# Allegro board SDHCalFEB20180110.brd (continued)
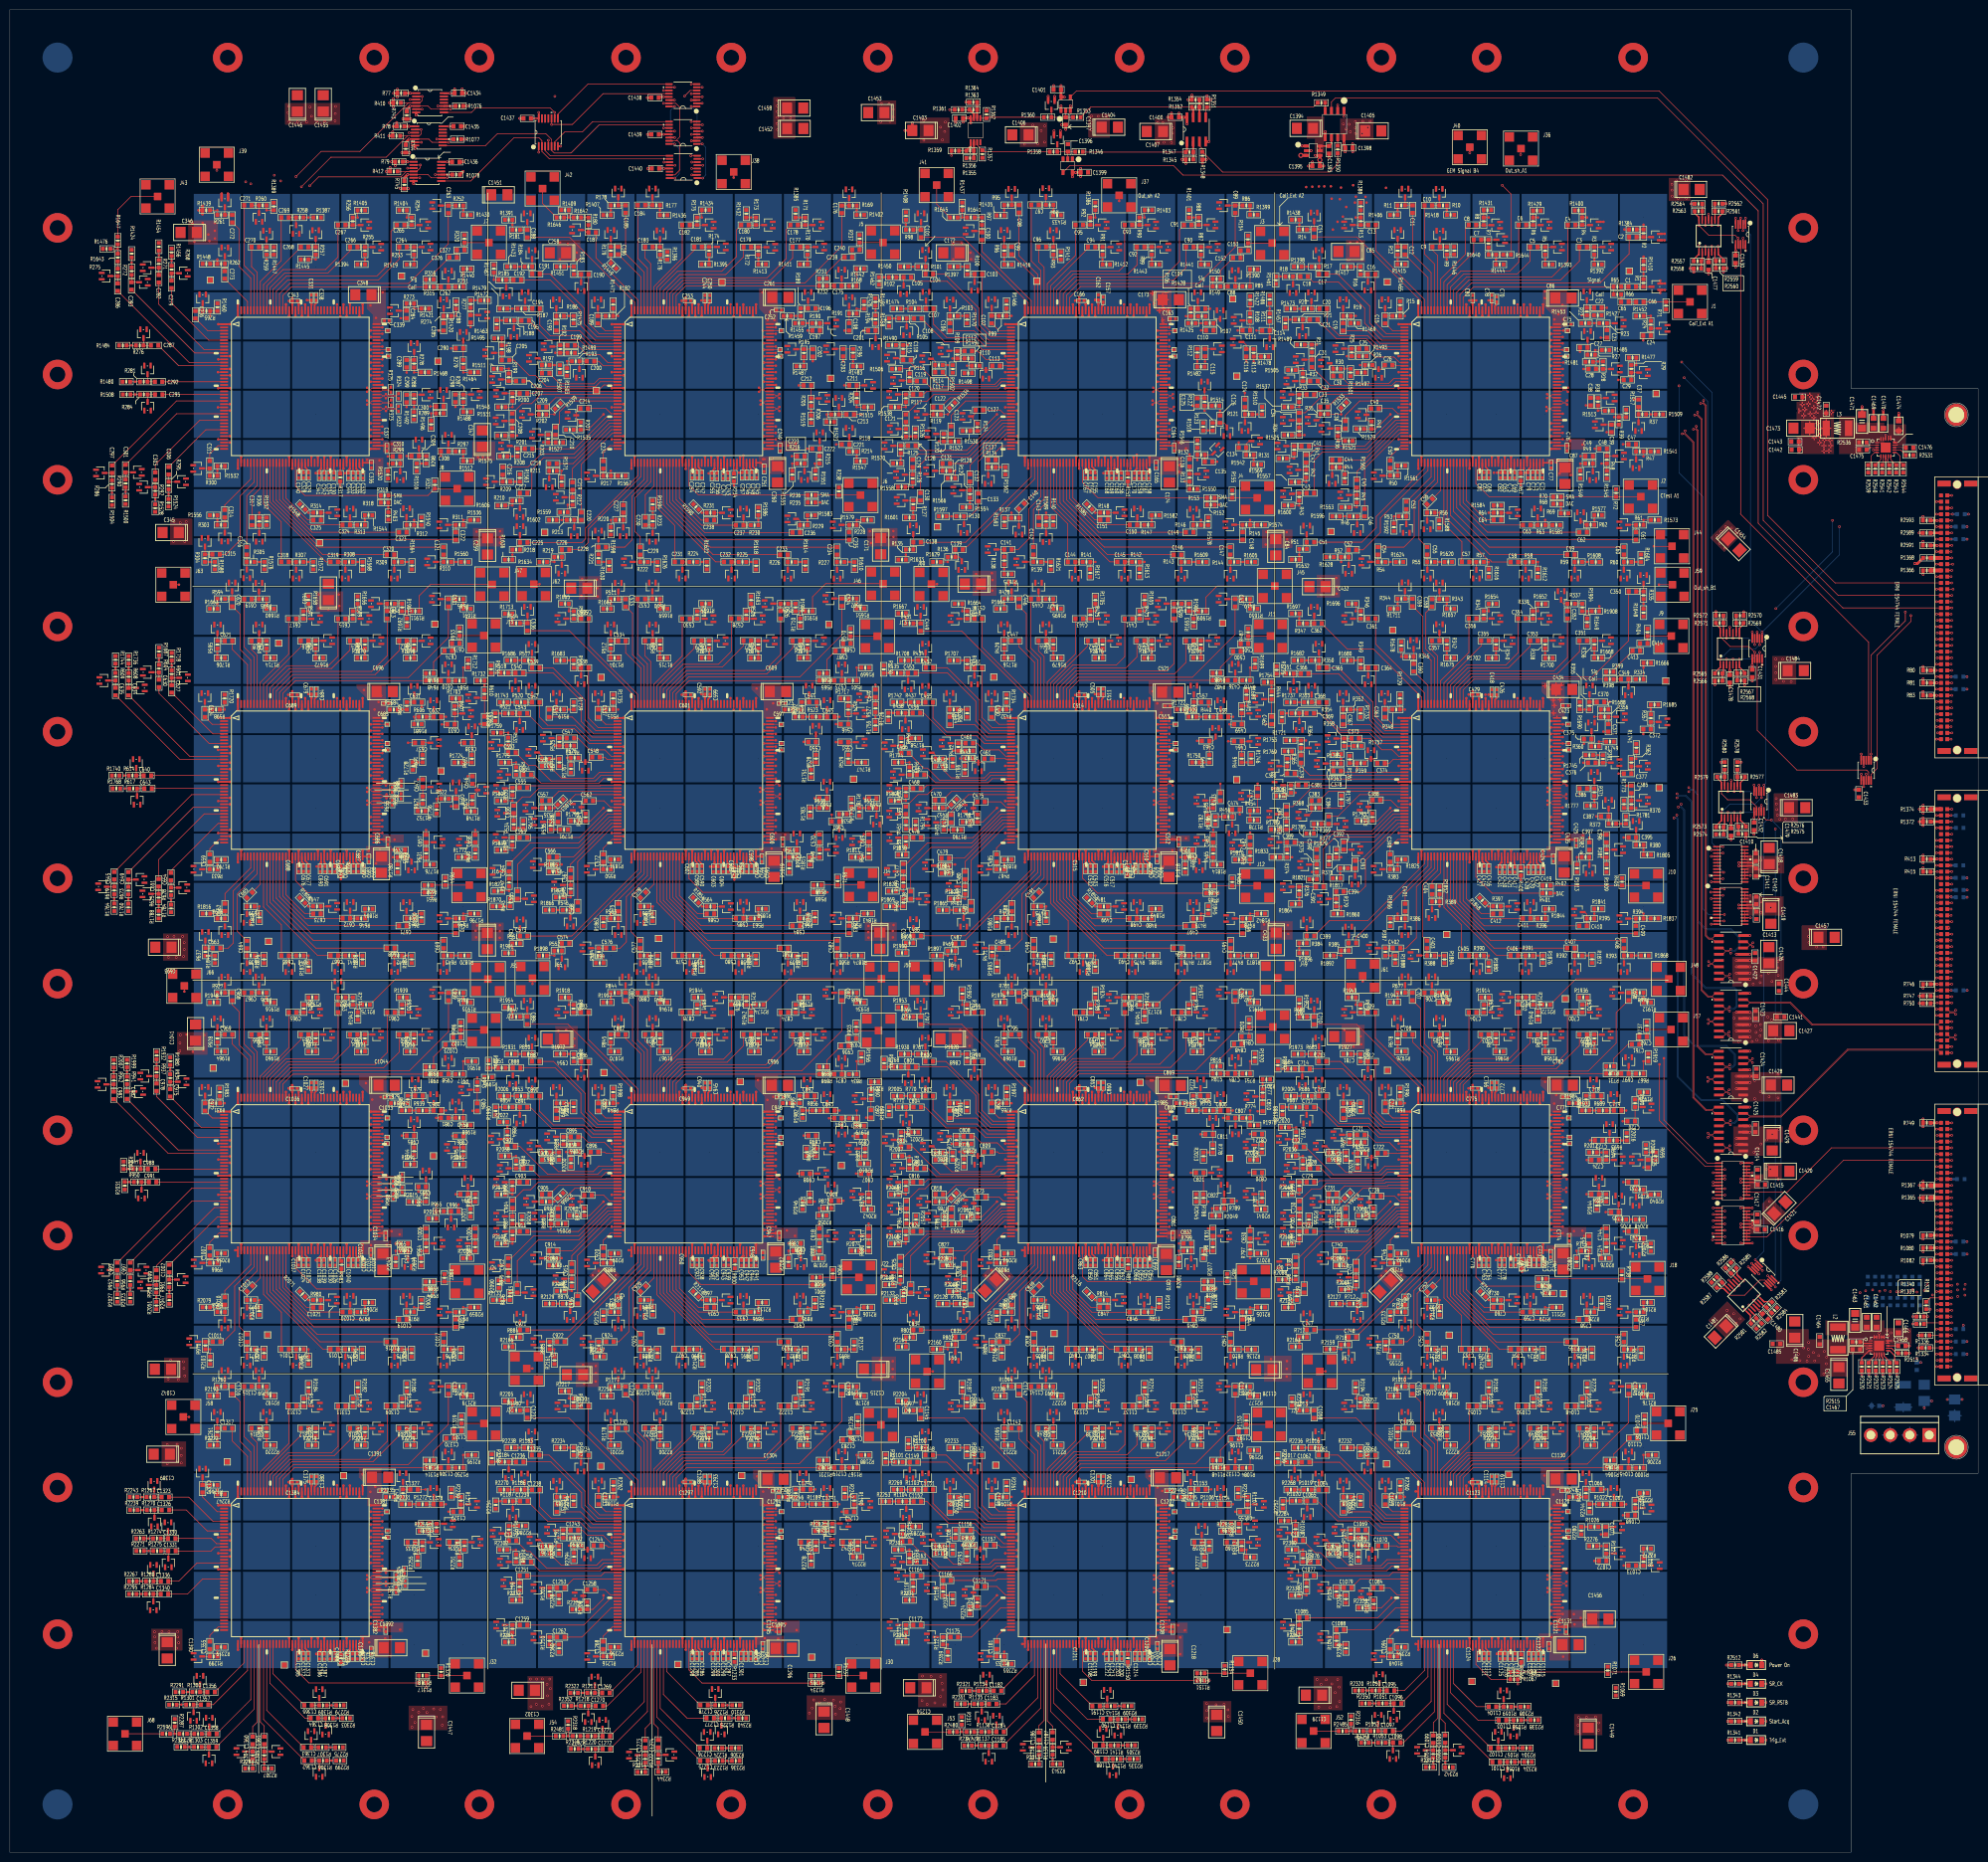
[diagram p0: board, top side]
## Routing (per net, layer and track width the routed paths; a pad name or vN(x,y) marks a point on that pad's centre or on a via; arc(x,y) is an arc through that point) (continued)
VREF_SH_ASIC_A4: length 2.3
  TOP w0.305: U260.62 60.04,281.47 60.73,280.77 C329.2
VREF_SH_ASIC_B1: length 2.3
  TOP w0.305: U325.62 300.07,201.56 300.78,200.85 C416.2
VREF_SH_ASIC_B5: length 2.3
  TOP w0.305: C503.2 220.76,200.77 220.06,201.48 U390.62
VREF_SH_ASIC_B6: length 2.3
  TOP w0.305: C590.2 140.73,200.82 140.05,201.51 U455.62
VREF_SH_ASIC_B7: length 2.3
  TOP w0.305: U520.62 60.04,201.51 60.75,200.8 C677.2
VREF_SH_ASIC_C1: length 2.3
  TOP w0.305: U585.62 300.07,121.49 300.73,120.84 C764.2
VREF_SH_ASIC_C2: length 2.3
  TOP w0.305: C851.2 220.74,120.86 220.06,121.55 U650.62
VREF_SH_ASIC_C4: length 2.3
  TOP w0.305: U780.62 60.04,121.39 60.72,120.71 C1025.2
VREF_SH_ASIC_D1: length 2.3
  TOP w0.305: C1112.2 300.75,40.73 300.07,41.41 U845.62
VREF_SH_ASIC_D2: length 2.3
  TOP w0.305: U910.62 220.06,41.46 220.72,40.8 C1199.2
VREF_SH_ASIC_D3: length 2.3
  TOP w0.305: C1286.2 140.73,40.75 140.05,41.44 U975.62
VREF_SH_ASIC_D4: length 2.3
  TOP w0.305: U1040.62 60.04,41.44 60.7,40.78 C1373.2
VTH0_ASIC_A1: length 2.2
  TOP w0.305: U65.79 311.12,280.85 311.61,280.36 C71.2
VTH0_ASIC_A2: length 2.3
  TOP w0.305: C158.2 231.58,280.84 231.11,281.31 U130.79
VTH0_ASIC_A3: length 2.3
  TOP w0.305: U195.79 151.1,281.57 151.88,280.78 C245.2
VTH0_ASIC_A4: length 2.4
  TOP w0.305: C332.2 71.81,280.75 71.09,281.47 U260.79
VTH0_ASIC_B1: length 2.5
  TOP w0.305: U325.79 311.12,201.43 311.78,200.77 C419.2
VTH0_ASIC_B5: length 2.4
  TOP w0.305: U390.79 231.11,201.48 231.91,200.67 C506.2
VTH0_ASIC_B6: length 2.3
  TOP w0.305: C593.2 151.81,200.82 151.1,201.53 U455.79
VTH0_ASIC_B7: length 2.3
  TOP w0.305: U520.79 71.09,201.46 71.87,200.67 C680.2
VTH0_ASIC_C1: length 2.3
  TOP w0.305: U585.79 311.12,121.42 311.93,120.61 C767.2
VTH0_ASIC_C2: length 2.4
  TOP w0.305: C854.2 231.82,120.58 231.11,121.29 U650.79
VTH0_ASIC_C3: length 2.3
  TOP w0.305: C941.2 151.76,120.71 151.1,121.37 U715.79
VTH0_ASIC_C4: length 2.3
  TOP w0.305: U780.79 71.09,121.44 71.85,120.68 C1028.2
VTH0_ASIC_D1: length 2.3
  TOP w0.305: U845.79 311.12,41.33 311.83,40.62 C1115.2
VTH0_ASIC_D2: length 2.3
  TOP w0.305: C1204.2 231.74,40.57 231.11,41.2 U910.79
VTH0_ASIC_D3: length 2.2
  TOP w0.305: C1291.2 151.65,40.73 151.1,41.28 U975.79
VTH0_ASIC_D4: length 2.3
  TOP w0.305: U1040.79 71.09,41.43 71.67,40.85 C1378.2
VTH1_ASIC_A1: length 2.1
  TOP w0.305: U65.78 310.47,280.54 C74.2
VTH1_ASIC_A2: length 2.2
  TOP w0.305: U130.78 230.46,280.35 C161.2
VTH1_ASIC_A3: length 2.2
  TOP w0.305: U195.78 150.45,281.35 150.89,280.91 C248.2
VTH1_ASIC_A4: length 2.3
  TOP w0.305: C335.2 70.82,280.75 70.44,281.12 U260.78
VTH1_ASIC_B1: length 2.3
  TOP w0.305: C422.2 310.79,200.74 310.47,201.06 U325.78
VTH1_ASIC_B5: length 2.2
  TOP w0.305: U390.78 230.46,201.16 230.92,200.7 C509.2
VTH1_ASIC_B6: length 2.2
  TOP w0.305: U455.78 150.45,201.27 150.82,200.9 C596.2
VTH1_ASIC_B7: length 2.2
  TOP w0.305: C683.2 70.88,200.85 70.44,201.29 U520.78
VTH1_ASIC_C1: length 2.2
  TOP w0.305: U585.78 310.47,121.23 310.94,120.76 C770.2
VTH1_ASIC_C2: length 2.3
  TOP w0.305: C857.2 230.83,120.71 230.46,121.08 U650.78
VTH1_ASIC_C3: length 2.2
  TOP w0.305: C944.2 150.74,120.94 150.45,121.23 U715.78
VTH1_ASIC_C4: length 2.2
  TOP w0.305: C1031.2 70.83,120.76 70.44,121.15 U780.78
VTH1_ASIC_D1: length 2.2
  TOP w0.305: U845.78 310.47,41.07 310.84,40.7 C1118.2
VTH1_ASIC_D2: length 2.2
  TOP w0.305: U910.78 230.46,40.97 230.75,40.67 C1202.2
VTH1_ASIC_D3: length 2.1
  TOP w0.305: U975.78 150.45,41.07 150.66,40.85 C1289.2
VTH1_ASIC_D4: length 2.1
  TOP w0.305: C1376.2 70.68,40.88 70.44,41.12 U1040.78
VTH2_ASIC_A1: length 2.1
  TOP w0.305: U65.77 309.82,280.47 C72.2
VTH2_ASIC_A2: length 2.2
  TOP w0.305: U130.77 229.81,280.39 C159.2
VTH2_ASIC_A3: length 2
  TOP w0.305: C246.2 149.8,280.45 U195.77
VTH2_ASIC_A4: length 2.1
  TOP w0.305: U260.77 69.79,280.28 C333.2
VTH2_ASIC_B1: length 2.2
  TOP w0.305: U325.77 309.82,200.17 C420.2
VTH2_ASIC_B5: length 2.1
  TOP w0.305: U390.77 229.81,201.15 229.93,201.03 C507.2
VTH2_ASIC_B6: length 2
  TOP w0.305: U455.77 149.8,200.33 C594.2
VTH2_ASIC_B7: length 2
  TOP w0.305: U520.77 69.79,201.23 69.89,201.13 C681.2
VTH2_ASIC_C1: length 2.1
  TOP w0.305: C768.2 309.95,120.96 309.82,121.09 U585.77
VTH2_ASIC_C2: length 2.1
  TOP w0.305: C855.2 229.81,120.25 U650.77
VTH2_ASIC_C3: length 2.1
  TOP w0.305: U715.77 149.8,120.32 C942.2
VTH2_ASIC_C4: length 2.1
  TOP w0.305: U780.77 69.79,120.35 C1029.2
VTH2_ASIC_D1: length 2.1
  TOP w0.305: U845.77 309.82,40.29 C1116.2
VTH2_ASIC_D2: length 2.1
  TOP w0.305: U910.77 229.81,40.36 C1205.2
VTH2_ASIC_D3: length 2.1
  TOP w0.305: C1292.2 149.8,40.43 U975.77
VTH2_ASIC_D4: length 2.1
  TOP w0.305: C1379.2 69.79,40.38 U1040.77
N224768: length 0.5
  TOP w0.254: U1076.19 U1076.20
N224788: length 2.1
  TOP w0.203: C1468.1 381.89,102.9 U1076.13
N224836: length 2.4
  TOP w0.203: C1467.1 376.97,102.92 U1076.3
N224884: length 2.6
  TOP w0.203: R2513.2 383.64,101.4 382.62,102.42 U1076.12
N225120: length 3.4
  TOP w0.203: U1076.5 378.04,101.92 376.58,100.46 R2520.2
N225194: length 2.2
  TOP w0.203: U1076.6 379.11,100.78 378,99.67 R2521.2
N225214: length 1.8
  TOP w0.203: R2522.2 379.43,100.53 379.61,100.72 U1076.7
N225218: length 1.8
  TOP w0.203: U1076.9 380.61,100.72 380.85,100.48 R2523.2
N225222: length 2.2
  TOP w0.203: R2524.2 382.27,99.67 381.11,100.83 U1076.10
N225226: length 3.5
  TOP w0.203: R2525.2 383.26,99.87 383.26,100.91 382.25,101.92 U1076.11
N229854: length 2.4
  TOP w0.508: D6.1 R2512.1
N266042: length 3.6
  TOP w0.406: U1045.6 241.89,352.57 R1352.2 R1354.2
N1484073: length 7.6
  TOP w0.127: R2596.1 J68.1
N2248761: length 2.2
  TOP w0.203: U1076.2 376.89,103.42 376.63,103.68 R2515.2
N10357042: length 25.7
  TOP w0.127: R1353.2 219.79,354.63 R1352.1
  TOP w0.406: U1045.7 240.63,354.38 R1352.1
N10357278: length 3.7
  TOP w0.406: R1345.2 R1347.2 240.63,345.51 U1045.2
N10357291: length 23.2
  TOP w0.127: R1347.1 218.24,345.49 R1346.2
  TOP w0.406: R1347.1 239.36,345.72 U1045.1
N10359702: length 3.6
  TOP w0.127: R1361.2 R1363.1
  TOP w0.406: U1048.7 196.04,353.21 R1363.1
N10359726: length 3.2
  TOP w0.406: U1048.6 196.69,354.09 R1363.2 R1364.2
N10360290: length 3.2
  TOP w0.406: R1355.2 R1356.2 196.04,345.79 U1048.2
N10360314: length 3.6
  TOP w0.127: R1359.2 R1356.1
  TOP w0.406: U1048.1 195.39,346.67 R1356.1
N10371573: length 1.6
  TOP w0.127: U1044.4 267.46,353.89 R1349.1
N10371607: length 1.7
  TOP w0.127: R1350.2 270.01,346.79 U1044.7
N10371876: length 15.9
  TOP w0.127: U1048.3 196.69,346.92 198.04,345.57 R1358.2
N10371884: length 13
  TOP w0.127: R1360.2 198.79,352.58 R1362.2 197.36,352.38 U1048.5
N16629690: length 2.1
  TOP w0.813: J33.B28 390.58,132.97 R1365.1
N16629718: length 2.1
  TOP w0.813: R1367.1 390.58,135.51 J33.B30
N16632302: length 1.7
  TOP w0.508: J34.A31 v4(394.75,200.54)
  BOTTOM w0.508: R1370.2 395.7,200.54 v4(394.75,200.54)
N16632314: length 1.8
  TOP w0.305: J34.A37 v4(394.75,208.16)
  BOTTOM w0.305: v4(394.75,208.16) 394.75,208.15 R1371.2
N16632330: length 1.7
  TOP w0.305: J34.A39 v4(394.75,210.7)
  BOTTOM w0.305: R1373.2 395.7,210.7 v4(394.75,210.7)
N16632396: length 2.1
  TOP w0.508: R1372.1 390.58,209.43 J34.B38
N16632400: length 2.1
  TOP w0.813: J34.B40 390.58,211.97 R1374.1
N16654329: length 2.1
  TOP w0.813: J35.B28 390.58,260.48 R1366.1
N16654333: length 2.1
  TOP w0.813: J35.B30 390.59,263.02 R1368.1
N16706372: length 2.4
  TOP w0.508: D1.1 R1341.1
N16706987: length 2.4
  TOP w0.508: D2.1 R1342.1
N16707063: length 2.4
  TOP w0.508: D3.1 R1343.1
N16707139: length 2.4
  TOP w0.508: D4.1 R1344.1
N16754310: length 2.4
  TOP w0.127: C1476.1 385.49,285.45 U1077.13
N16754358: length 2.3
  TOP w0.127: C1475.1 377.85,285.01 378.28,285.45 U1077.3
N16754406: length 2.8
  TOP w0.127: R2531.2 384.5,284.95 U1077.12
N16754610: length 3.6
  TOP w0.127: U1077.5 379.19,284.45 378.49,283.74 378.49,282.47 R2539.2
N16754668: length 2.3
  TOP w0.127: U1077.6 380.46,283.02 R2540.2
N16754688: length 1.9
  TOP w0.127: U1077.7 380.96,282.1 R2541.2
N16754708: length 1.9
  TOP w0.127: R2542.2 381.96,282.1 U1077.9
N16754712: length 2.3
  TOP w0.127: R2543.2 382.46,283.02 U1077.10
N16754716: length 3.5
  TOP w0.127: R2544.2 384.35,282.55 384.35,283.72 383.63,284.45 U1077.11
N16832061: length 3.4
  TOP w0.254: U1078.2 344.13,323.54 R2557.2 343.93,321.85 R2558.1
N16833922: length 3.4
  TOP w0.254: U1078.6 346.73,323.59 R2559.2 346.93,323.39 R2560.1
N16834415: length 3.3
  TOP w0.254: R2564.1 344.13,333.48 R2563.2 344.13,333.47 U1078.13
N16836319: length 3.3
  TOP w0.254: R2566.1 348.25,238.05 R2565.2 348.45,239.75 U1079.2
N16842604: length 3.3
  TOP w0.254: R2568.1 351.24,238.1 R2567.2 351.05,239.79 U1079.6
N16842803: length 3.5
  TOP w0.254: R2570.1 351.04,249.79 R2569.2 351.05,249.77 U1079.9
N16843003: length 3.5
  TOP w0.254: R2572.1 348.45,249.81 R2571.2 348.45,249.8 U1079.13
N16843204: length 3.4
  TOP w0.254: R2574.1 348.48,206.84 R2573.2 348.7,208.55 U1080.2
N16843407: length 3.3
  TOP w0.254: U1080.6 351.3,208.63 R2575.2 351.5,206.94 R2576.1
N16843610: length 3.3
  TOP w0.254: R2578.1 351.28,218.5 R2577.2 351.29,216.68 U1080.9
N16843814: length 3.3
  TOP w0.254: U1080.13 348.7,218.51 R2579.2 348.71,219.99 R2580.1
N16844019: length 3.4
  TOP w0.254: U1081.2 355.13,108.83 R2581.2 355.14,108.53 R2582.1
N16844225: length 3.4
  TOP w0.254: R2583.2 356.92,110.71 U1081.6
  TOP w0.305: R2584.1 357.24,110.61 R2583.2
N16844432: length 3.3
  TOP w0.254: R2586.1 349.98,117.64 R2585.2 350,117.64 U1081.9
N16844640: length 3.3
  TOP w0.254: U1081.13 349.42,114.54 R2587.2 347.11,116.85 R2588.1
N16845119: length 3.3
  TOP w0.254: R2562.1 346.73,333.48 R2561.2 346.73,333.47 U1078.9
N167543981: length 2.4
  TOP w0.127: R2536.2 378.11,285.95 U1077.2
N1665546130: length 2
  TOP w0.508: J33.A31 v4(394.75,136.78)
  BOTTOM w0.508: v4(394.75,136.78) 394.75,136.78 R1369.2

## Copper pours and planes (outline as drawn; the poured copper is in the pictures)
+5VIN on BOTTOM: 375.41,91.74 375.41,78.51 398.73,78.51 398.73,91.74
GND on GND1, GND2: 1.02,1.02 373.38,1.02 373.38,78.03 399.21,78.03 399.21,296.37 373.38,296.37 373.38,373.38 1.02,373.38
VCC3.3VA on TOP: 270.48,352.32 270.48,347.9 277.32,347.9 277.32,352.32
VCC3.3VA on TOP: 195.76,260.43 195.76,255.32 200.61,255.32 200.61,260.43
VCC3.3VA on TOP: 254.33,189.18 254.33,185.42 260.83,185.42 260.83,189.18
VCC3.3VA on TOP: 190.88,167.59 190.88,163.25 195.83,163.25 195.83,167.59
VCC3.3VA on TOP: 185.04,352.48 185.04,347.24 191.06,347.24 191.06,352.48
VCC3.3VA on TOP: 174.32,269.09 174.32,265.33 180.49,265.33 180.49,269.09
VCC3.3VA on TOP: 277.99,116.95 281.04,113.91 284.11,116.98 282.27,118.82 279.86,118.82
VCC3.3VA on TOP: 345.31,108.08 349.01,104.38 352.92,108.29 349.22,111.99
VCC3.3VA on TOP: 254.63,268.81 254.63,265.05 260.81,265.05 260.81,268.81
VCC3.3VA on TOP: 175.29,100.71 175.29,95.73 180.21,95.73 180.21,100.71
VCC3.3VA on TOP: 115.7,259.28 115.7,254.58 120.27,254.58 120.27,259.28
VCC3.3VA on TOP: 191.31,327.51 191.31,323.14 196.22,323.14 196.22,324.97 193.68,327.51
VCC3.3VA on TOP: 271.7,327.63 271.7,323.14 275.56,323.14 275.56,327.63
VCC3.3VA on TOP: 184.71,36.35 184.71,29.41 190.55,29.41 190.55,36.35
VCC3.3VA on TOP: 31.37,100.53 31.37,95.43 36.35,95.43 36.35,100.53
VCC3.3VA on TOP: 358.67,215.16 358.67,209.37 363.58,209.37 363.58,215.16
VCC3.3VA on TOP: 265.73,259.59 265.73,254.99 270.46,254.99 270.46,259.59
VCC3.3VA on TOP: 110.92,167.89 110.92,163.14 115.47,163.14 115.47,167.89
VCC3.3VA on TOP: 93.93,188.93 93.93,185.17 100.43,185.17 100.43,188.93
VCC3.3VA on TOP: 36.25,331.62 36.25,326.69 42.32,326.69 42.32,331.62
VCC3.3VA on TOP: 115.06,99.54 115.06,94.56 119.76,94.56 119.76,99.54
VCC3.3VA on TOP: 270.84,168.12 270.84,163.19 275.49,163.19 275.49,168.12
VCC3.3VA on TOP: 265.1,35.76 265.1,28.83 270.94,28.83 270.94,35.76
VCC3.3VA on TOP: 62.23,256.21 62.23,252.04 67.82,252.04 67.82,256.21
VCC3.3VA on TOP: 105.28,35.76 105.28,28.83 110.46,28.83 110.46,35.76
VCC3.3VA on TOP: 337.34,340.23 337.34,335.51 341.76,335.51 341.76,340.23
VCC3.3VA on TOP: 33.99,166.67 33.99,162.05 40.18,162.05 40.18,166.67
VCC3.3VA on TOP: 32.59,271.02 32.59,265.66 37.11,265.66 37.11,271.02
VCC3.3VA on TOP: 31.17,186.72 31.17,181.2 36.25,181.2 36.25,186.72
VCC3.3VA on TOP: 117.73,117.2 120.97,113.96 124.17,117.16 122.58,118.75 119.28,118.75
VCC3.3VA on TOP: 197.64,117.2 201.03,113.8 204.23,117.01 202.49,118.75 199.19,118.75
VCC3.3VA on TOP: 30.86,83.44 30.86,78.33 35.84,78.33 35.84,83.44
VCC3.3VA on TOP: 219.3,353.31 219.3,348.41 223.67,348.41 223.67,353.31
VCC3.3VA on TOP: 111.33,327.61 111.33,323.14 116.03,323.14 116.03,327.61
VCC3.3VA on TOP: 232.82,352.25 232.82,346.91 237.06,346.91 237.06,352.25
VCC3.3VA on TOP: 368.1,96.62 368.1,99.24 359.16,99.24 359.16,106.3 365.81,106.3 365.81,104.24 373.79,104.24 373.79,96.62
VCC3.3VA on TOP: 205.38,351.49 205.38,346.51 211,346.51 211,351.49
VCC3.3VA on TOP: 28.8,45.42 28.8,40.94 35.1,40.94 35.1,45.42
VCC3.3VA on TOP: 255.07,100.89 255.07,95.61 260.6,95.61 260.6,100.89
VCC3.3VA on TOP: 173.84,188.95 173.84,185.19 180.34,185.19 180.34,188.95
VCC3.3VA on TOP: 94.18,269.11 94.18,265.35 100.43,265.35 100.43,269.11
VCC3.3VA on TOP: 358.37,243.1 358.37,237.31 363.27,237.31 363.27,243.1
VCC3.3VA on POWER2: 1.52,1.52 1.52,372.87 372.87,372.87 372.87,1.52
VCC3.3VD on TOP: 71.22,44.09 71.22,41.15 74.27,41.15 74.27,39.55 77.7,39.55 77.7,44.09
VCC3.3VD on TOP: 234.77,46.63 234.77,44.53 239.5,44.53 239.5,46.63
VCC3.3VD on TOP: 231.39,123.65 231.39,121.44 233.5,121.44 233.5,119.86 236.68,119.86 236.68,123.65
VCC3.3VD on TOP: 233.53,150.04 236.3,150.04 236.3,157.81 230.89,157.81 230.89,156.18 233.53,153.54
VCC3.3VD on TOP: 313.41,230.58 316.18,230.58 316.18,237.85 311.48,237.85 311.48,235.79 313.41,233.86
VCC3.3VD on TOP: 162.05,31.88 162.05,26.85 169.93,26.85 169.93,31.88
VCC3.3VD on TOP: 233.96,310.11 236.19,310.11 236.19,317.37 231.67,317.37 231.67,314.73 233.96,312.45
VCC3.3VD on TOP: 153.47,150.16 156.24,150.16 156.24,157.94 151.51,157.94 151.51,155.55 153.47,153.59
VCC3.3VD on TOP: 316.2,207.01 316.2,205.41 320.32,205.41 320.32,207.01
VCC3.3VD on TOP: 312.47,283.21 312.47,282.17 314.58,282.17 314.58,279.58 317.93,279.58 317.93,283.21
VCC3.3VD on TOP: 236.52,286.97 236.52,284.73 239.83,284.73 239.83,286.97
VCC3.3VD on TOP: 72.69,70.28 75.59,70.28 75.59,77.98 70.97,77.98 70.97,76.12 72.69,74.4
VCC3.3VD on TOP: 316.2,287.27 316.2,284.99 320.32,284.99 320.32,287.27
VCC3.3VD on TOP: 151.31,123.95 151.31,121.54 153.92,121.54 153.92,120.29 157.58,120.29 157.58,123.95
VCC3.3VD on TOP: 345.72,267.11 348.63,264.2 352.31,267.88 349.4,270.79
VCC3.3VD on TOP: 73.81,310.29 76.43,310.29 76.43,317.8 72.59,317.8 72.59,313.66 73.81,312.45
VCC3.3VD on TOP: 75.13,126.7 75.13,124.99 79.91,124.99 79.91,126.7
VCC3.3VD on TOP: 72.26,283.36 72.26,282.17 74.3,282.17 74.3,279.73 75.95,279.73 75.95,283.36
VCC3.3VD on TOP: 152.45,70.31 155.45,70.31 155.45,77.75 151.13,77.75 151.13,76 152.45,74.68
VCC3.3VD on TOP: 155.88,286.77 155.88,285.65 157.51,285.65 157.51,284.66 160.32,284.66 160.32,286.77
VCC3.3VD on TOP: 75.84,206.78 75.84,205.16 80.11,205.16 80.11,206.78
VCC3.3VD on TOP: 350.24,181.89 350.24,175.92 360.83,175.92 360.83,181.89
VCC3.3VD on TOP: 231.42,283.67 231.42,282.17 233.88,282.17 233.88,279.88 238.43,279.88 238.43,283.67
VCC3.3VD on TOP: 314.5,49.25 314.5,45.62 323.27,45.62 323.27,49.25
VCC3.3VD on TOP: 75.87,286.77 75.87,284.48 79.68,284.48 79.68,286.77
VCC3.3VD on TOP: 73.13,150.14 76.58,150.14 76.58,157.91 71.02,157.91 71.02,156.03 73.13,153.92
VCC3.3VD on TOP: 353.06,194.23 353.06,190.32 360.68,190.32 360.68,194.23
VCC3.3VD on TOP: 155.22,356.67 155.22,348.23 159.74,348.23 159.74,356.67
VCC3.3VD on TOP: 72.39,204.47 72.39,201.85 73.79,201.85 73.79,200.56 77.7,200.56 77.7,204.47
VCC3.3VD on TOP: 232.41,204.09 232.41,202.11 233.83,202.11 233.83,199.69 237.57,199.69 237.57,204.09
VCC3.3VD on TOP: 73.86,46.66 73.86,44.68 79.98,44.68 79.98,46.66
VCC3.3VD on TOP: 353.67,128.65 353.67,125.65 356.11,125.65 356.11,127.53 358.95,127.53 361.24,129.82 357.78,133.27 356.29,131.78 356.29,128.7 356.31,128.68 356.29,128.65
VCC3.3VD on TOP: 312.5,204.42 312.5,202.21 314.6,202.21 314.6,200.63 317.78,200.63 317.78,204.42
VCC3.3VD on TOP: 55.96,355.45 55.96,351.05 67.16,351.05 67.16,355.45
VCC3.3VD on TOP: 310.92,44.42 310.92,41.61 313.03,41.61 313.03,38.96 317.3,38.96 317.3,44.42
VCC3.3VD on TOP: 152.3,283.67 152.3,281.41 154.41,281.41 154.41,280.04 157.76,280.04 157.76,283.67
VCC3.3VD on TOP: 313.23,70.18 316,70.18 316,78.18 311.3,78.18 311.3,75.79 313.23,73.86
VCC3.3VD on TOP: 94.06,286.69 94.06,282.8 98.7,282.8 98.7,286.69
VCC3.3VD on TOP: 176.38,355.98 176.38,351.08 180.24,351.08 180.24,355.98
VCC3.3VD on TOP: 152.35,204.24 152.35,202.26 153.77,202.26 153.77,199.85 157.51,199.85 157.51,204.24
VCC3.3VD on TOP: 235.23,126.52 235.23,124.66 240.23,124.66 240.23,126.52
VCC3.3VD on TOP: 353.21,202.46 353.21,198.88 360.83,198.88 360.83,202.46
VCC3.3VD on TOP: 153.57,310.29 156.18,310.29 156.18,317.8 152.35,317.8 152.35,313.66 153.57,312.45
VCC3.3VD on TOP: 151.41,43.99 151.41,42.14 154,42.14 154,39.5 157.43,39.5 157.43,43.99
VCC3.3VD on TOP: 232.82,70.36 235.59,70.36 235.59,77.77 230.89,77.77 230.89,76.17 232.82,74.24
VCC3.3VD on TOP: 350.01,158.52 350.01,152.55 360.12,152.55 360.12,158.52
VCC3.3VD on TOP: 318.11,28.07 318.11,23.75 323.82,23.75 323.82,28.07
VCC3.3VD on TOP: 353.75,137.77 353.75,134.77 355.98,134.77 355.98,136.6 360.3,136.6 360.3,140 356.51,140 356.51,137.77
VCC3.3VD on TOP: 235.92,206.65 235.92,205.38 239.93,205.38 239.93,206.65
VCC3.3VD on TOP: 313.66,309.83 316.64,309.83 316.64,317.55 311.73,317.55 311.73,314.32 313.66,312.39
VCC3.3VD on TOP: 81.1,29.79 81.1,24.77 88.98,24.77 88.98,29.79
VCC3.3VD on TOP: 155.24,47.07 155.24,44.6 160.55,44.6 160.55,47.07
VCC3.3VD on TOP: 312.37,123.37 312.37,121.77 313.79,121.77 313.79,119.58 317.65,119.58 317.65,123.37
VCC3.3VD on TOP: 242.67,30.71 242.67,26.39 248.39,26.39 248.39,30.71
VCC3.3VD on TOP: 232.71,230.25 236.27,230.25 236.27,238.07 231.57,238.07 231.57,235.51 232.71,234.37
VCC3.3VD on TOP: 153.34,230.38 156.72,230.38 156.72,237.52 150.8,237.52 150.8,236.27 153.34,233.73
VCC3.3VD on TOP: 155.55,207.26 155.55,205.61 158.62,205.61 158.62,207.26
VCC3.3VD on TOP: 231.37,44.15 231.37,42.14 234.14,42.14 234.14,39.73 238.58,39.73 238.58,44.15
VCC3.3VD on TOP: 315.54,127.05 315.54,125.07 320.55,125.07 320.55,127.05
VCC3.3VD on TOP: 155.47,126.92 155.47,124.69 160.22,124.69 160.22,126.92
VCC3.3VD on TOP: 73.05,230.15 76.43,230.15 76.43,237.29 70.51,237.29 70.51,236.55 73.05,234.01
VCC3.3VD on TOP: 71.27,124.33 71.27,121.44 74.19,121.44 74.19,120.24 77.57,120.24 77.57,124.33
VCC3.3VD on TOP: 350.24,170.76 350.24,164.31 360.35,164.31 360.35,170.76
VCC3.3VD on TOP: 350.44,147.5 350.44,141.53 356.59,141.53 356.59,144.25 360.55,144.25 360.55,147.5
VCC3.3VD on TOP: 363.32,296.67 363.32,284.15 371.17,284.15 371.17,293.17 368.17,293.17 368.17,296.67
VCC3.3VD on TOP: 364.36,188.37 364.36,183.34 369.49,183.34 369.49,188.37
VCC3.3VD on TOP: 313.23,150.32 316,150.32 316,157.58 311.3,157.58 311.3,155.78 313.23,153.85
VCC3.3VD on POWER1: 1.52,1.52 1.52,372.87 372.87,372.87 372.87,295.86 398.73,295.86 398.73,78.51 372.87,78.51 372.87,1.52
VCC5.0V on TOP: 380.21,106.5 386.74,106.5 386.74,103.25 381.18,103.25 380.21,104.22
VCC5.0V on TOP: 381.63,290.19 381.63,285.65 385.57,285.65 385.57,290.19
VCC5.0V on BOTTOM: 375.41,115.95 375.41,112.47 398.73,112.47 398.73,115.95
VCC5.0V on POWER2: 375.41,295.86 375.41,78.51 398.73,78.51 398.73,295.86
VCC5.0V_BOARD_IN on BOTTOM: 375.41,111.76 375.41,93.47 398.73,93.47 398.73,111.76
VCC5.0V_CON_IN on BOTTOM: 375.41,264.67 398.73,264.67 398.73,116.61 375.41,116.61
VREF1.25V on TOP: 263.73,352.7 263.73,348.23 263.75,348.21 265.4,348.21 265.4,345.34 267.26,345.34 267.26,352.7
N224768 on TOP: 369.16,108.08 369.16,105.05 373.81,105.05 373.81,101.12 381.18,101.12 381.18,108.08
N16754290 on TOP: 371.96,291.8 371.96,284.1 376.86,284.1 376.86,287.17 378.21,287.17 378.21,286.21 381.15,286.21 381.15,290.55 375.23,290.55 375.23,291.8

## Text on the board
Ref Des/Silkscreen Top: SMA | DAC | Cali | Sig | Out_sh A2 | Cali_Ext A2 | GEM Signal B4 | Out_sh_A1 | Signal | CTest A1 | Cali_Ext A1 | Out_sh_B1 | Power On | Trig_Ext | SR_CK | SR_RSTB | Start_Acq
